# Altium PCB Mainboard1.PcbDoc
Units mil, origin at the board's own origin, x right, y up, seen from the top; angles counter-clockwise.
Board outline 3845 x 2650 mil, 2 copper layers (Top Layer, Bottom Layer); 70 components, 36 nets, 193 pads, 24 vias.
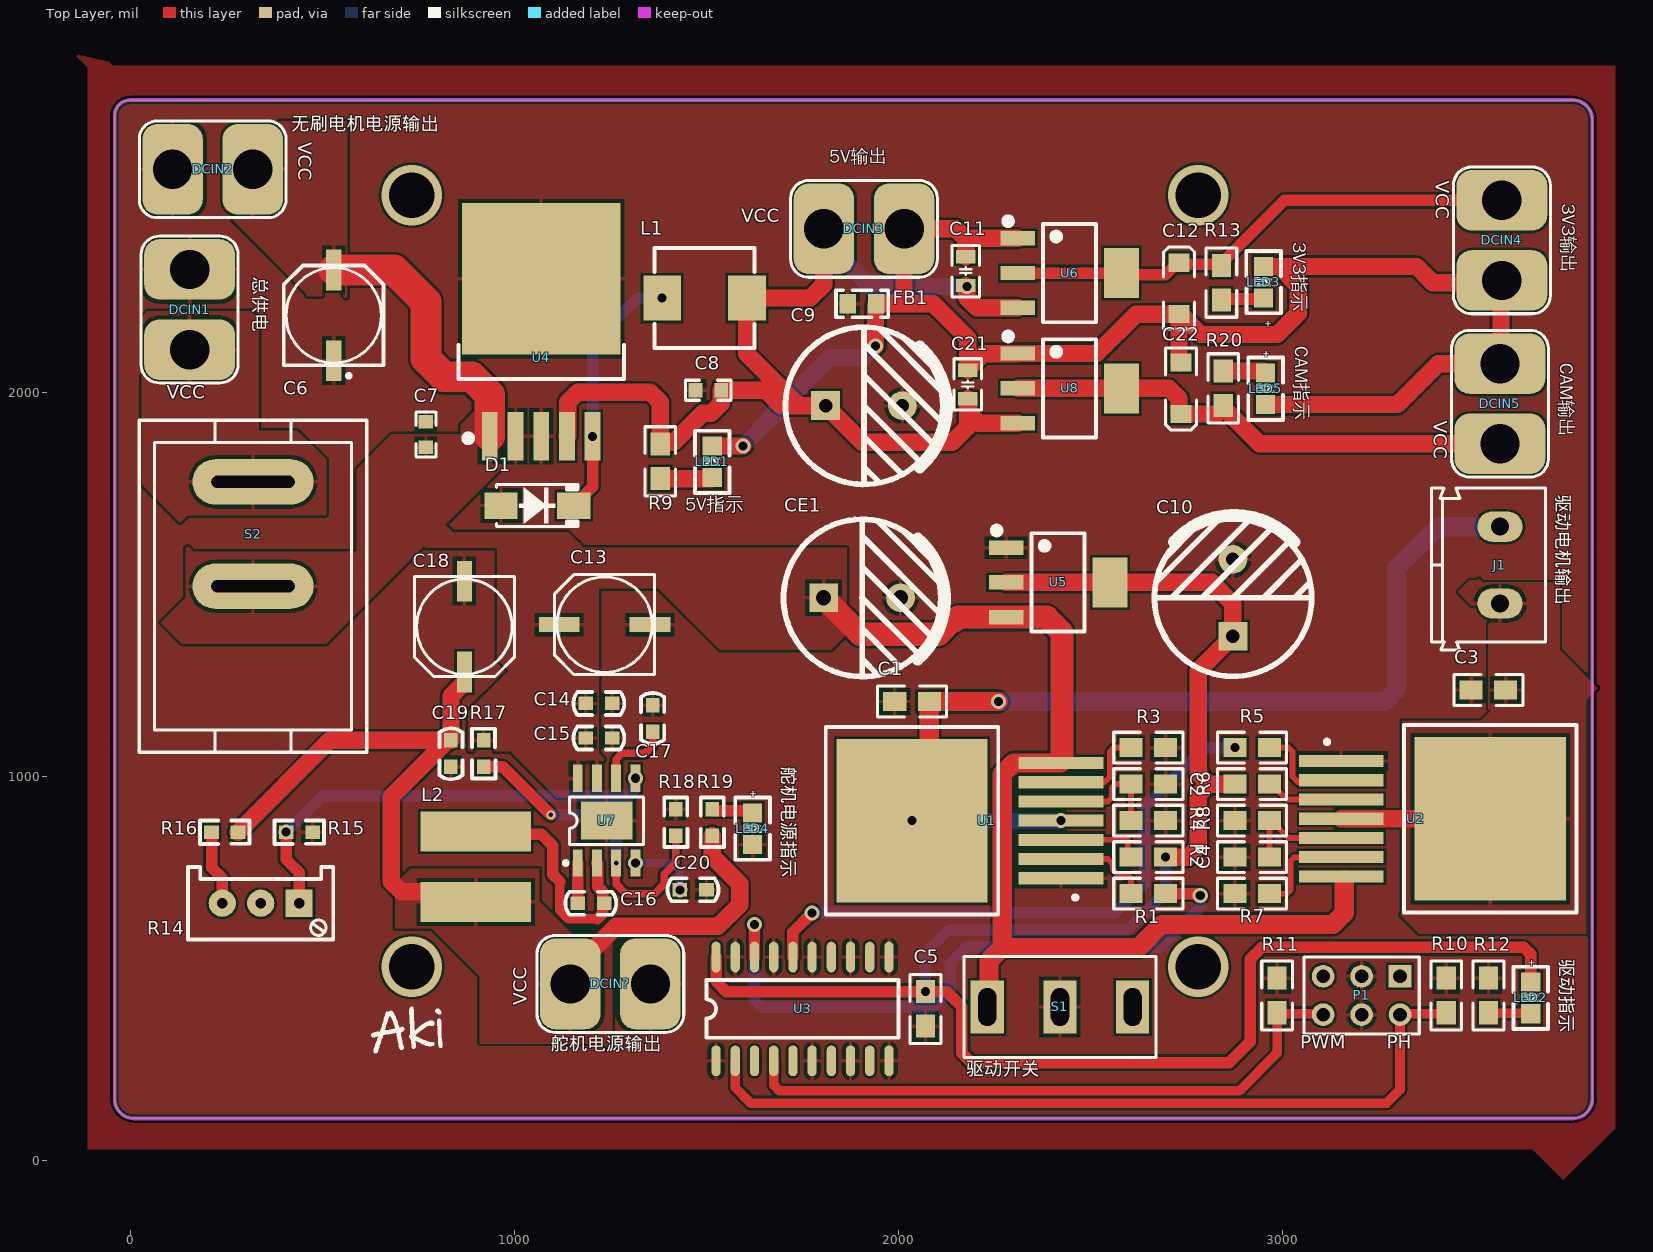
[diagram p0: Top Layer view]
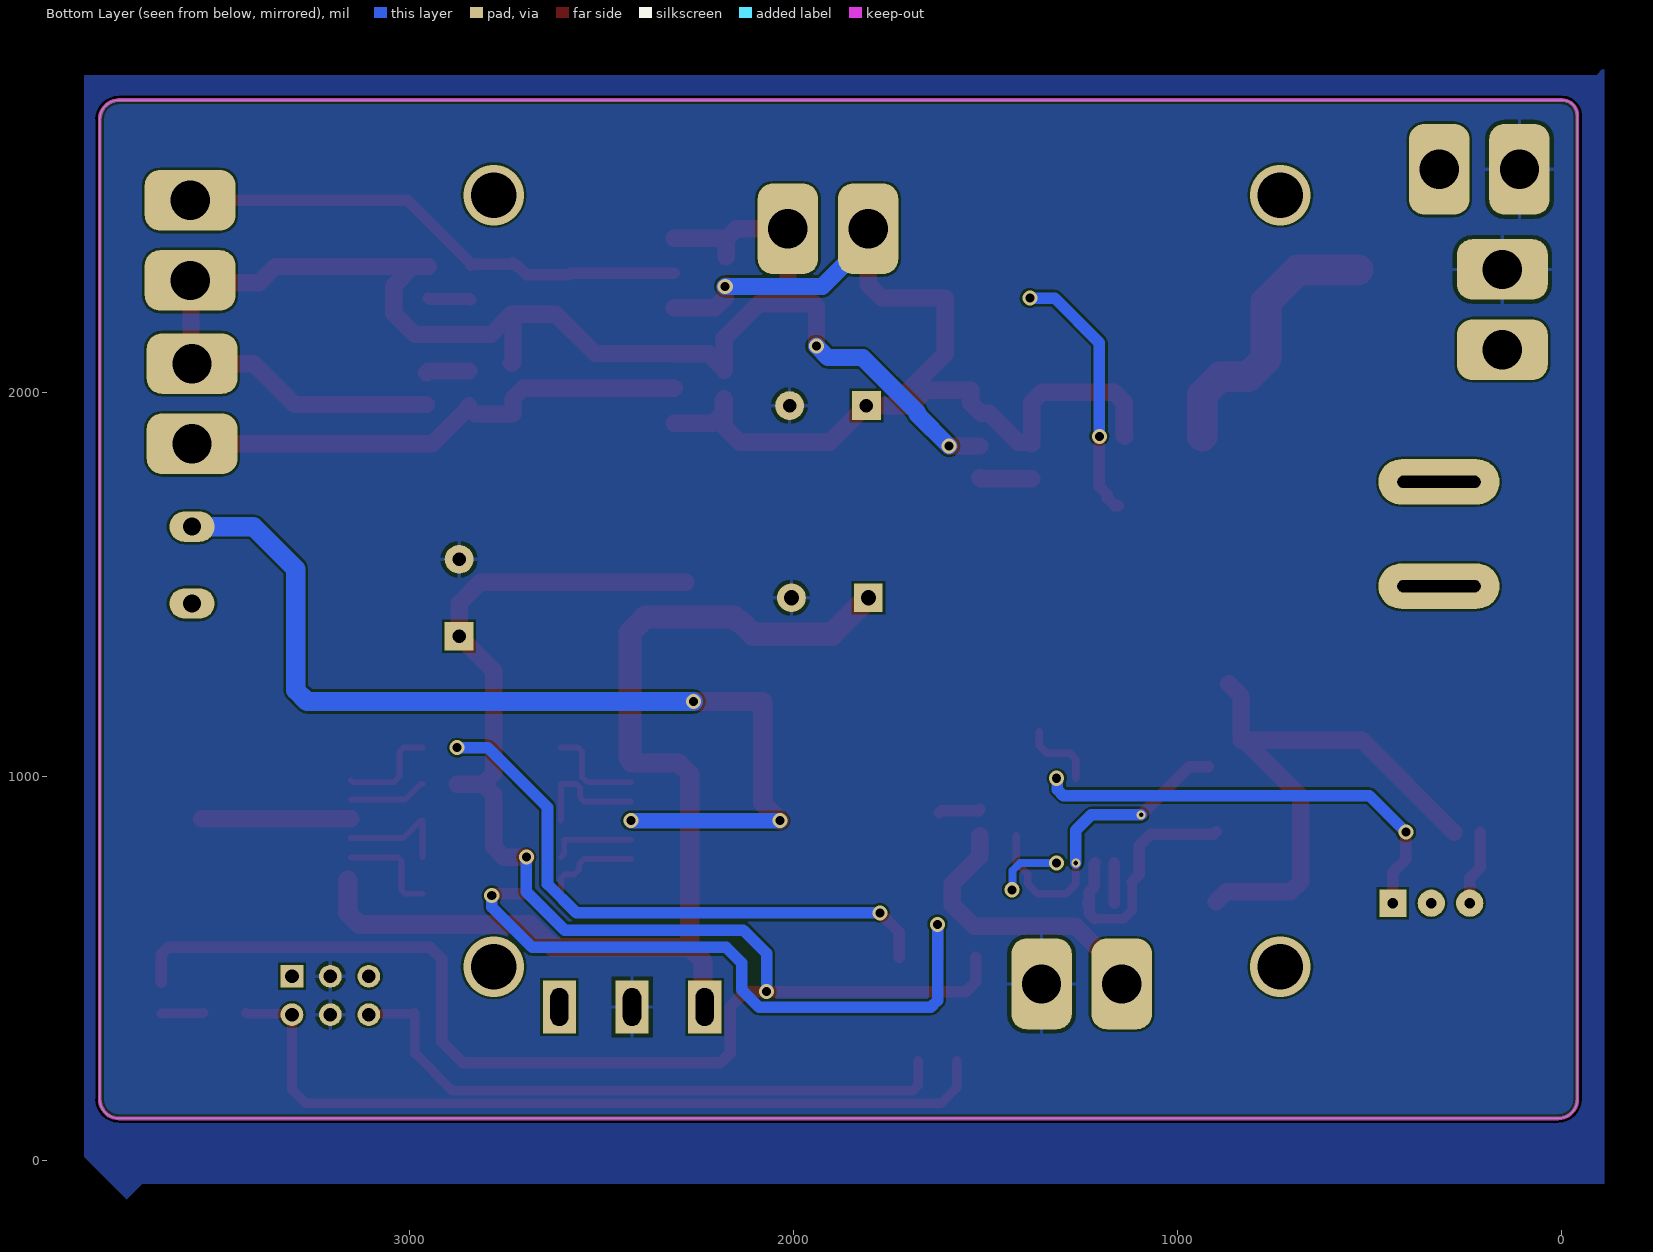
[diagram p1: Bottom Layer view, seen from below]

## Layer stack, top to bottom
Top Solder: solder mask 0.4, Solder Resist, Dk 3.5
Top Layer: signal copper 1.4
Dielectric 1: dielectric 12.6, FR-4, Dk 4.8
Bottom Layer: signal copper 1.4
Bottom Solder: solder mask 0.4, Solder Resist, Dk 3.5

## Board outline
10,110 cw(c10,160) -40,160 -40,2720 cw(c0,2720) 0,2760 3755,2760 cw(c3755,2710) 3805,2710 3805,160 cw(c3755,160) 3755,110

## Design rules (kind name [scope] priority, off if disabled: settings)
Clearance [All] p1: gap=6 ignorepadtopadclearanceinfootprint=FALSE
PolygonConnect [All] p1: connectstyle=Relief reliefconductorwidth=10 reliefentries=4 polygonreliefangle="90 Angle" airgapwidth=10
RoutingVias [All] p1: holewidth=28 width=50 viastyle="Through Hole" minholewidth=28 minwidth=50 maxholewidth=28 maxwidth=50
SolderMaskExpansion [All] p1: expansion=4 istentingtop=FALSE
Width [All] p1: maxlimit=120 minlimit=10 preferedwidth=20
30 further rules are at their usual default settings.

## Components (designator, comment, footprint, x,y, rotation, side; value= is the part's Value field where it differs from the comment)
C1 "Cap" 0805 2080,1195 r180 top value=100nF
C2 "Cap Semi" 0805 2695,980 r180 top value=100nF
C3 "Cap" 0805 3580,1225 r180 top value=100nF
C4 "Cap Semi" 0805 2875,790 r0 top value=100nF
C5 "Cap" 0805 2070,440 r270 top value=100nF
C6 "100uF 25V" CAPS6.3 530,2200 r270 top value=100uF
C7 "100nF ±10% 50V" CAPC1608[0603]S-N 770,1890 r270 top value=100nF
C8 "100nF ±10% 50V" CAPC1608[0603]S-N 1505,2005 r0 top value=100nF
C9 "1000uF（直插）" "CAP 5.0*10*16" 1910,1965 r0 top
C10 "10uF" "CAP 5.0*10*16" 2870,1465 r90 top
C11 "10uF" "C 0805_L" 2175,2315 r90 top
C12 "22uF" "CD A(3216)" 2730,2270 r270 top
C13 "25V 100uF" "电解电容16v 220uf" 1235,1395 r0 top
C14 "100nF" C0603 1255,1190 r180 top
C15 "10uF" C0603 1255,1100 r180 top
C16 "100nF" C0603 1234,670 r180 top
C17 "1uF" C0603 1360,1116 r90 top
C18 "16V 220uF" "电解电容16v 220uf" 870,1390 r90 top
C19 "100nF" C0603 835,1094 r270 top
C20 "100nF" C0603 1500,705 r180 top
C21 "10uF" "C 0805_L" 2180,2020 r90 top
C22 "22uF" "CD A(3216)" 2735,2010 r90 top
CE1 "100uF" "CAP 5.0*10*20" 1905,1465 r0 top
D1 "SS34" SMA[DO-214AC] 1060,1705 r0 top
DCIN1 "T型插头" "Wired T-Header ThroughHole" 155,2215 r180 top
DCIN2 "T型插头" "Wired T-Header ThroughHole" 215,2580 r270 top
DCIN3 "T型插头" "Wired T-Header ThroughHole" 1910,2425 r90 top
DCIN4 "T型插头" "Wired T-Header ThroughHole" 3570,2395 r0 top
DCIN5 "T型插头" "Wired T-Header ThroughHole" 3565,1970 r180 top
DCIN? "T型插头" "Wired T-Header ThroughHole" 1250,460 r90 top
FB1 "0R" INDC2012[0805]S 1905,2230 r180 top
J1 "Header 2" "KF/WJ/DG 301-2p-5.0mm" 3565,1550 r90 top
L1 "47uH" "0630 TPC 7*7*3" 1495,2245 r0 top
L2 "3.3uH" 贴片电感7*7 900,765 r270 top
LED1 "蓝色" LED0805 1515.2,1777.7 r90 top
LED2 "红色" LED0805 3645,465 r270 top
LED3 "红色" LED0805 2950,2245 r90 top
LED4 "绿色" LED0805 1620,905 r270 top
LED5 "红色" LED0805 2955,2050 r270 top
P1 "Header 3X2" HDR2X3 3305,480 r180 top
R1 "Res2" 0805 2695,695 r180 top value=3.3K
R2 "Res2" 0805 2605,790 r0 top value=3.3K
R3 "Res2" 0805 2605,1075 r0 top value=3.3K
R4 "Res2" 0805 2605,885 r0 top value=3.3K
R5 "Res2" 0805 2875,1075 r0 top value=3.3K
R6 "Res2" 0805 2965,980 r180 top value=3.3K
R7 "Res2" 0805 2965,695 r180 top value=3.3K
R8 "" 0805 2965,885 r180 top value=3.3K
R9 "4.7K" 0805 1380,1775 r90 top
R10 "Res2" 0805 3425,385 r90 top value=3.3K
R11 "Res2" 0805 2985,385 r90 top value=3.3K
R12 "Res2" 0805 3535,385 r90 top value=4.7K
R13 "2.7K" 0805 2840,2240 r90 top
R14 "100K" 电位器 340,670 r180 top
R15 "15K" R0603 406,855 r0 top
R16 "100K" R0603 212,855 r0 top
R17 "10K" R0603 920,1025 r90 top
R18 "10K" R0603 1420,846 r90 top
R19 "10K" R0603 1515,846 r90 top
R20 "2.7K" 0805 2845,2055 r270 top
S1 "SW-SPDT" SS12D10 2420,400 r180 top
S2 "KCD1-101" KCD1-101 320,1495 r90 top
U1 "BTS 7971B" bts7960 2035,885 r90 top
U2 "BTS 7971B" bts7960 3540,890 r270 top
U3 "74HC244" SOJ-20 1525,260 r90 top
U4 "LM2596-5" TO263-5A 1070,1885 r0 top
U5 "ASM1117" SOT223_M 2415,1505 r270 top
U6 "AMS1117-3V3" SOT223_M 2445,2310 r270 top
U7 "SY8205FCC" SOP-8E 1240,885 r90 top
U8 "AMS1117-3V3" SOT223_M 2445,2010 r270 top

## Footprints (in the part's own frame and the unit in brackets; to place one, negate y for a bottom-side part, rotate by r counter-clockwise, add the part's x,y. Pads: shape width x height; smd on the part's side, far side on the other; paste and mask are expansions set on the pad)
"0630 TPC 7*7*3" [mm]
  rect 2.5x3 smd: 1(-2.8,0) 2(2.8,0)
  silkscreen extent -3.3,-3.3 3.3,3.3, body extent -3.3,-3.3 3.3,3.3, height 3
0805 [mil]
  rect 60x50 smd: 1(0,0) 2(90,0)
  silkscreen extent -45,-40 135,40
bts7960 [mm]
  rect 0.8x5.6 smd: 1(-3.81,-9.85) 2(-2.54,-9.85) 3(-1.27,-9.85) 4(0,-9.85) 5(1.27,-9.85) 6(2.54,-9.85) 7(3.81,-9.85)
  rect 10.8x10 smd: 8(0,0)
  silkscreen extent -6.2,-10.92 6.2,5.7
C0603 [mil]
  rect 38x35 smd: 1(0,0) 2(69,0)
  silkscreen extent -31,-30 101,30, body extent 4,-16 67,16, height 12
"C 0805_L" [mil] "无极性贴片电容"
  rect 35x50 smd: 1(-37.4,0) 2(37.4,0)
  silkscreen extent -67,-36 67,36, body extent -39,-24 39,24, height 20
"CAP 5.0*10*16" [mm] "脚距5mm直径10mm高度16mm"
  rect 1.9x1.9 hole 0.9: 1(-2.54,0)
  round 1.9 hole 0.9: 2(2.54,0)
  silkscreen extent -5.19,-5.21 5.5,5.19, body extent -5,-5 5.01,5, height 16.04
"CAP 5.0*10*20" [mm] "脚距5mm直径10mm高度20mm"
  rect 1.9x1.9 hole 1: 1(-2.54,0)
  round 1.9 hole 1: 2(2.54,0)
  silkscreen extent -5.19,-5.21 5.5,5.19, body extent -5,-5 5.01,5, height 20.03
CAPC1608[0603]S-N [mm]
  rect 0.9x0.95 smd: 1(-0.85,0) 2(0.85,0)
  silkscreen extent -1.5,-0.66 1.5,0.66, body extent -0.8,-0.41 0.8,0.41, height 0.79
CAPS6.3 [mm]
  rect 2.7x1 smd: 1(-3,0) 2(3,0)
  silkscreen extent -3.3,-3.3 4.12,3.3, body extent -3.5,-3.3 3.5,3.3, height 5.2
"CD A(3216)" [mm] "长3.2mm，宽1.6mm，厚1.6mm"
  rect 1.2x1.4 smd: 1(-1.7,0) 2(1.7,0)
  silkscreen extent -2.74,-1.02 2.67,1.02, body extent -1.6,-0.8 1.6,0.8, height 1.6
HDR2X3 [mm] "Connector; Header; 3x2 Position"
  rect 1.5x1.5 hole 0.9: 1(0,0)
  round 1.5 hole 0.9: 2(0,2.54) 3(2.54,0) 4(2.54,2.54) 5(5.08,0) 6(5.08,2.54)
  silkscreen extent -1.27,-1.27 6.35,3.81
INDC2012[0805]S [mm]
  rect 1.1x1.3 smd: 1(-0.948,0) 2(0.948,0)
  silkscreen extent -1.73,-0.89 1.73,0.89, body extent -1.02,-0.63 1.02,0.64, height 0.8
KCD1-101 [mm] "船型开关立式"
  oval 3x8 hole 0.8 slot 5.5 at 90 deg: 1(0,0) 2(6.9,0)
  silkscreen extent -10.97,-7.52 10.97,7.52, body extent -10.95,-7.5 10.95,7.5, height 20.3
"KF/WJ/DG 301-2p-5.0mm" [mm]
  oval 2x3 hole 1.2: 1(2.54,0) 2(-2.54,0)
  silkscreen extent -5.6,-3 5.08,4.52, body extent -5.6,-3 5,4.6, height 10
LED0805 [mil] "1/8W"
  rect 50x50 smd: 1(0,0) 2(82.3,0.2)
  silkscreen extent -40,-45 122,45, body extent 2,-25 80,25, height 20
R0603 [mil] "1/10W"
  rect 38x35 smd: 1(0,0) 2(69,0)
  silkscreen extent -30,-31 99,30, body extent 4,-16 66,16, height 18
SMA[DO-214AC] [mm]
  rect 2.2x1.75 smd: A(-2.4,0) K(2.4,0)
  silkscreen extent -2.7,-1.4 2.7,1.4, body extent -2.9,-1.46 2.91,1.46, height 2.3
SOJ-20 [mil]
  oval 80x24 smd: 1(0,0) 2(0,-50) 3(0,-100) 4(0,-150) 5(0,-200) 6(0,-250) 7(0,-300) 8(0,-350) 9(0,-400) 10(0,-450) 11(270,-450) 12(270,-400) 13(270,-350) 14(270,-300) 15(270,-250) 16(270,-200) 17(270,-150) 18(270,-100) 19(270,-50) 20(270,0)
  silkscreen extent 60,-475 210,25
SOP-8E [mm]
  rect 2.5x3.4 smd: 0(0,0)
  rect 1.8x0.65 smd: 1(-2.8,1.905) 2(-2.8,0.635) 3(-2.8,-0.635) 4(-2.8,-1.905) 5(2.8,-1.905) 6(2.8,-0.635) 7(2.8,0.635) 8(2.8,1.905)
  silkscreen extent -2.92,-2.45 1.58,2.82, body extent -3.11,-2.45 3.11,2.45, height 1.75
SOT223_M [mm] "6.4x7x1.6mm(长宽高)"
  rect 0.95x2.3 smd: 1(-2.3,-3.429) 2(0,-3.429) 3(2.3,-3.429)
  rect 3.3x2.3 smd: 2(0,3.429)
  silkscreen extent -3.63,-4.26 3.25,1.75, body extent -3.25,-3.51 3.25,3.51, height 1.65
SS12D10 [mm]
  rect 2.2x3.5 hole 1.2 slot 2.5 at 90 deg mask+0.07: 1(-4.8,0) 2(0,0) 3(4.8,0)
  silkscreen extent -6.35,-3.35 6.35,3.35, body extent -6.4,-3.3 6.35,3.8, height 12.5
TO263-5A [mm] "263，5脚晶体管"
  rect 1.05x3.2 smd: 1(-3.4,0) 2(-1.7,0) 3(0,0) 4(1.7,0) 5(3.4,0)
  rect 10.45x10 smd: 3(0,10.414)
  silkscreen extent -5.46,-0.33 5.46,6.04, body extent -5,-0.01 5,13.32, height 4.5
"Wired T-Header ThroughHole" [mm]
  rrect50% 6x4 hole 2.6: 1(0,2.65) 2(0,-2.65)
  silkscreen extent -3.2,-4.85 3.2,4.85
电位器 [mm] "Precise Multi-Winding Adjustable Resistor"
  rect 1.8x1.8 hole 0.7: 1(-2.54,0)
  round 1.8 hole 0.7: 2(0,0) 3(2.54,0)
  silkscreen extent -4.8,-2.4 4.8,2.4, body extent -4.75,-2.4 4.75,2.4, height 11.52
"电解电容16v 220uf" [mm] "直径6.3mm（蒜米工坊）"
  rect 2.7x1 smd: 1(-3,0) 2(3,0)
  silkscreen extent -3.3,-3.3 3.3,3.3, body extent -3.5,-3.3 3.5,3.3, height 5.2
贴片电感7*7 [mm] "POWER INDUCTOR 5uH"
  rect 2.65x7.3 smd: 1(-2.325,0) 2(2.325,0)
  body extent -3.36,-3.33 3.34,3.37, height 2.9

## Part data
C1 C3 C5: "Capacitor", LatestRevisionDate=17-Jul-2002, LatestRevisionNote="Re-released for DXP Platform.", PackageReference=RAD-0.3, Published=8-Jun-2000, Publisher="Altium Limited"
C2 C4: "Capacitor (Semiconductor SIM Model)", LatestRevisionDate=17-Jul-2002, LatestRevisionNote="Re-released for DXP Platform.", PackageReference=C1206, Published=8-Jun-2000, Publisher="Altium Limited"
C6: library part Cap-Solid, "Polarized Capacitor (Radial)", Voltage=25V, Price(RMB)=0.000, Published=8-Jun-2000, Publisher="Altium Limited", Revision="July-2002: Re-released for DXP Platform."
C7 C8: library part Cap-Chip, "贴片电容", Tolerance=±10%, Voltage=50V, Price(RMB)=0.000, Published=8-Jun-2000, Publisher="Altium Limited", Revision="July-2002: Re-released for DXP Platform."
C9: library part C-CAP, "直插电解电容", BOM名称=直插电解电容, 学习资源=www.ooocke.com, 版权归属=源创客
C10 CE1: library part CAP1
C11 C21: library part C-CM, "贴片电解电容", BOM名称=贴片电解电容, 学习资源=www.ooocke.com, 版权归属=源创客
C12 C22: library part C-CD, "贴片钽电容", BOM名称=贴片钽电容, 学习资源=www.ooocke.com, 版权归属=源创客
C13 C18: library part ECAP
C14 C15 C17 C19 C20: library part 普通电容, "Capacitor"
C16: library part C_0603
D1: library part 1N5819, "肖特基二极管", BOM名称=肖特基二极管, 学习资源=www.ooocke.com, 属性=40V/2A, 版权归属=源创客
DCIN1 DCIN2 DCIN3 DCIN4 DCIN5 DCIN?: library part T_Header
FB1: library part Ind-Chip, "Chip Inductor, Ferrite-Core, Silkscreen Border", DCR=.1m, Imax=50mA, Price(RMB)=0.000, Published=8-Jun-2000, Publisher="Altium Limited", Revision="July-2002: Re-released for DXP Platform."
J1: "Header, 2-Pin", LatestRevisionDate=17-Jul-2002, LatestRevisionNote="Re-released for DXP Platform.", Publisher="Altium Limited"
L1: library part "Ind Power", "Power Inductor, Ferrite-Core", DCR=.5m, Imax=50mA, Price(RMB)=0.000, Published=8-Jun-2000, Publisher="Altium Limited", Revision="July-2002: Re-released for DXP Platform."
L2: library part L1
LED1 LED2 LED3 LED5: library part LED-SMD, "贴片LED", BOM名称=贴片LED
  LED1 LED3 LED5: 学习资源=https://lmdzstyle.taobao.com/, 版权归属=黎明电子style
  LED2: 学习资源=www.ooocke.com, 版权归属=源创客
LED4: library part LED-3MM, "插件LED", BOM名称=插件LED, 学习资源=www.ooocke.com, 版权归属=源创客
P1: "Header, 3-Pin, Dual row", LatestRevisionDate=17-Jul-2002, LatestRevisionNote="Re-released for DXP Platform.", Publisher="Altium Limited"
R1 R2 R3 R4 R5 R6 R7 R10 R11 R12: "Resistor", LatestRevisionDate=17-Jul-2002, LatestRevisionNote="Re-released for DXP Platform.", PackageReference=AXIAL-0.4, Published=8-Jun-2000, Publisher="Altium Limited"
  R4: PackageDescription="Axial Device, Thru-Hole; 2 Leads; 0.4 in Pin Spacing"
R8: library part Res2, "Resistor", LatestRevisionDate=17-Jul-2002, LatestRevisionNote="Re-released for DXP Platform.", PackageDescription="Axial Device, Thru-Hole; 2 Leads; 0.4 in Pin Spacing", PackageReference=AXIAL-0.4, Published=8-Jun-2000, Publisher="Altium Limited"
R9 R13 R20: library part R, "贴片电阻", BOM名称=贴片电阻, 学习资源=https://lmdzstyle.taobao.com/, 版权归属=黎明电子style
R14: library part RESVR, "Potentiometer"
R15 R16 R17 R18 R19: library part R_0603
S1: "单刀双掷开关 3脚船型、钮子、拨动开关 SPDT Subminiature Toggle Switch", Price(RMB)=0.000, Published=24-Mar-1999, Publisher="Altium Limited"
S2: "1路单刀船型开关", BOM名称=1路单刀船型开关, 学习资源=www.ooocke.com, 版权归属=源创客
U1 U2: library part "BTS 7960B"
U3: library part 7
U6 U8: library part AMS1117, "三端稳压芯片", BOM名称=稳压芯片, 学习资源=www.ooocke.com, 版权归属=源创客

## Via types
v1: diameter 39.37, hole 23.62, Top Layer to Bottom Layer, 18 vias
v2: diameter 157.48, hole 118.11, Top Layer to Bottom Layer, 4 vias
v3: diameter 23.62, hole 11.81, Top Layer to Bottom Layer, 2 vias

## Nets (pads, with @x,y where several pads share a name; then routed paths per layer and width w, separated by ;. In a path a pad name is that pad's centre, name@x,y a point inside that pad or via, vN(x,y) a via of type N, cw(c..) or ccw(c..) an arc to the next point about the centre after c; other vN are vias at no path point)
FB: R14.1 R15.1 U7.5 | length 1182.4
  Top Layer w30: v1(406,855) 406,784 440,750 R14.1
  Bottom Layer w30: v1(406,855) 501,950 1297.43,950 1313.21,965.78 1313.21,993.44 v1(1315,995.24)
GND5V: C11.2 C12.2 C21.2 C22.2 DCIN3.2 DCIN4.2 DCIN5.2 FB1.1 LED1.2 LED3.2 LED5.2 U6.1 U8.1 | length 4309.8
  Top Layer w45: LED1.2 v1(1595,1860) ; v1(1940,2120) 1940,2225 1945,2230 1987.97,2230 ; C11.2 2175,2398.64 2173.09,2400.55 ; C21.2 C21.2@2180,2059.9 ; U6.1 2173.09,2400.55 ; C22.2 2731.12,2076.93 2730,2078.05 C12.2 ; LED3.2 2990,2327.3 ; LED5.2 3297.7,1967.7 3404.33,2074.33 DCIN5.2 3567.5,2076.83 DCIN4.2@3567.5,2288.17 ; DCIN4.2 DCIN4.2@3567.5,2288.17 ; 1987.97,2230 2090,2230 2180,2140 C21.2@2180,2059.9 ; 1987.97,2230 2014.33,2256.36 DCIN3.2 2148.64,2425 2173.09,2400.55 ; C21.2@2180,2059.9 2220.1,2100 2309.45,2100 U8.1 2515.55,2100.55 2618.07,2203.07 C12.2 ; C12.2 2733.94,2203.07 2787.01,2150 2985,2150 3040,2205 3040,2277.3 2990,2327.3 ; 2990,2327.3 3347.7,2327.3 3390,2285 3564.33,2285 DCIN4.2@3567.5,2288.17
  Bottom Layer w45: v1(1595,1860) 1677.9,1942.9 1677.9,1948.01 1819.89,2090 1910,2090 v1(1940,2120)
GNDBAT: C1.2 C2.1 C3.2 C4.1 C5.2 C6.2 C7.1 C8.1 C9.2 C10.2 C13.2 C14.1 C15.1 C17.2 C18.2 C19.2 C20.1 CE1.2 D1.A DCIN1.2 DCIN2.2 DCIN?.2 FB1.2 LED4.2 P1.3 P1.4 R3.2 R4.2 R7.2 R8.2 R10.2 R11.2 R12.2 R15.2 R18.2 S1.2 U1.1 U2.1 U3.1 U3.6 U3.8 U3.10 U3.11 U3.13 U3.15 U3.17 U3.19 U4.2 U4.3 U5.1 U7.0
NetC2_2: C2.2 R4.1 U1.5 | length 310.5
  Top Layer w15: U1.5 2545,935 2555,945 2555,970 2565,980 C2.2 R4.1
NetC4_2: C4.2 R8.1 U2.5 | length 300.8
  Top Layer w15: C4.2 R8.1 2970,885 3015,840 U2.5
NetC16_1: C16.1 L2.1 U7.2 | length 658.3
  Top Layer w25: 1118.65,726.35 1118.65,651.35 1140,630 1216.43,630
  Top Layer w30: L2.1 906.54,850 1070,850 1100,820 1100,745 1118.65,726.35 ; U7.2 1217.2,772.56 1217.2,712.8 1230,700 1230,672.5 C16.1@1232.5,670 ; 1216.43,630 1230,643.57 1230,667.5 C16.1@1232.5,670 ; C16.1 C16.1@1232.5,670
NetC16_2: C16.2 U7.1 | length 104.8
  Top Layer w30: C16.2 U7.1
NetC17_1: C17.1 U7.6 | length 195.3
  Top Layer w20: U7.6 1265,1045 1280,1060 1340,1060 1360,1080 C17.1
NetC20_2: C20.2 U7.4 | length 173.6
  Bottom Layer w20: v1(1315,774.76) 1410.24,774.76 1430,755 1430,706 v1(1431,705)
NetD1_2: D1.K L1.1 U4.5 | length 678.5
  Top Layer w30: D1.K 1163.35,1705 1182.8,1724.45 1182.8,1733.31 1203.86,1754.37 v1(1203.86,1885)
  Bottom Layer w30: v1(1203.86,1885) 1203.86,2128.86 1320,2245 v1(1384.76,2245)
NetDCIN1_1: DCIN1.1 S2.2 | length 95.2
  Top Layer w80: DCIN1.1@150,2105.67 DCIN1.1 ; S2.2@231.89,1766.65 S2.2
NetLED1_1: LED1.1 R9.1 | length 136.3
  Top Layer w45: R9.1 1512.5,1775 LED1.1
NetLED2_2: LED2.2 R12.1 | length 111.2
  Top Layer w25: R12.1 3536.15,383.85 3644.05,383.85 LED2.2
NetLED3_1: LED3.1 R13.1 | length 112.1
  Top Layer w30: R13.1 2842.5,2242.5 2947.5,2242.5 LED3.1
NetLED4_1: LED4.1 R19.2 | length 110
  Top Layer w30: R19.2 1515,913.5 1517.5,911 1614,911 LED4.1
NetLED5_1: LED5.1 R20.1 | length 112.1
  Top Layer w45: R20.1 2950,2055 LED5.1
NetR1_2: R1.2 U1.2 | length 251.7
  Top Layer w15: U1.2 2545,785 2557.5,772.5 2557.5,757.5 2570,745 2595,745 2605,735 R1.2
NetR2_1: R2.1 U1.3 | length 222.1
  Top Layer w15: U1.3 2596.21,835 2596.21,798.79 R2.1
NetR3_1: R3.1 U1.6 | length 258.3
  Top Layer w15: U1.6 2536.21,985 2550,998.79 2550,1065 2560,1075 R3.1
NetR5_2: R5.2 U2.2 | length 264.6
  Top Layer w15: R5.2 3015,1075 3019.99,1070.01 3025,1065 3025,1000 3040,985 3147.2,985 U2.2
NetR6_1: R6.1 U2.3 | length 203.8
  Top Layer w15: R6.1 2970,980 3010,940 U2.3
NetR7_1: R7.1 U2.6 | length 271.2
  Top Layer w15: R7.1 3011.21,695 3020,703.79 3020,780 3028.79,788.79 3150.99,788.79 U2.6
NetR14_3: R14.3 R16.1 | length 196.6
  Top Layer w30: R16.1 212,763 240,735 R14.3
NetR17_1: R17.1 R18.1 U7.3 | length 837.5
  Top Layer w20: v3(1265,774.76) 1265,720 1290,695 1365,695 1390,720 1390,745 1420,775 R18.1
  Top Layer w30: R17.1 970,1025 v3(1095,900)
  Bottom Layer w30: v3(1095,900) 1225,900 1265,860 v3(1265,774.76)
OUT1: C1.1 J1.1 U1.4 U1.8 | length 2574.8
  Top Layer w50: v1(2035,885) 2080,930 C1.1 v1(2260,1195)
  Bottom Layer w40: v1(2035,885) v1(2422.8,885)
  Bottom Layer w50: v1(2260,1195) 3265.71,1195 3295,1224.29 3295,1540 3405,1650 J1.1
OUT2: C3.1 J1.2 U2.4 U2.8 | length 387.8
  Top Layer w45: U2.4 U2.8
PH: R1.1 U3.18 | length 1721.4
  Top Layer w30: U3.18 v1(1625,615) ; R1.1 2777.46,695 2782.46,690 v1(2785,690)
  Bottom Layer w30: v1(1625,615) 1625,416.89 1642.57,399.31 2089.31,399.31 2135,445 2135,515 2175,555 2680,555 2785,660 v1(2785,690)
PH_IN: P1.2 R10.1 U3.2 | length 2148.1
  Top Layer w25: U3.2 1575,190 1615,150 3270,150 3305,185 P1.2 3307.5,382.5 3422.5,382.5 R10.1
PWM: R5.1 U3.16 | length 1531
  Top Layer w30: U3.16 1725,595 v1(1775,645)
  Bottom Layer w30: v1(1775,645) 2565,645 2640,720 2640,920 2795,1075 v1(2875,1075)
PWM_IN: P1.6 R11.1 U3.4 | length 1647
  Top Layer w25: U3.4 1675.5,259.5 1675.5,196.5 1690.14,181.86 2886.86,181.86 2985,280 R11.1 2987.5,382.5 3102.5,382.5 P1.6
VCC3V3: C12.1 DCIN4.1 R13.2 U6.2 | length 1351.2
  Top Layer w30: U6.2@2310,2310 2580,2310 2585,2305 2694.13,2305 2717.44,2328.31 2721.38,2328.31 C12.1 2733.46,2333.46 2836.54,2333.46 R13.2 2840,2335 3004.33,2499.33 DCIN4.1
VCC5V: C8.2 C9.1 C11.1 C21.1 DCIN3.1 L1.2 R9.2 U4.4 U6.3 U8.3 | length 2982.5
  Top Layer w45: U4.4 1138.76,1886.83 1138.76,1973.64 1165.12,2000 1353.64,2000 1380,1973.64 R9.2@1380,1867.5 ; R9.2 R9.2@1380,1867.5 ; DCIN3.1 1805,2424.33 1805,2280 1770,2245 L1.2 1605.24,2099.76 1740,1965 ; C11.1 v1(2177.5,2275.1) 2177.5,2245.81 2203.86,2219.45 U6.3 ; U8.3 2208.86,1919.45 2182.5,1945.81 2182.5,1980.1 C21.1 2180,1910 2140,1870 1905,1870 C9.1 1740,1965 ; R9.2@1380,1867.5 1382.5,1870 1415,1870 1490,1945 1512.1,1945 1538.46,1971.36 C8.2 1654.23,2005 1694.23,1965 1740,1965
  Bottom Layer w45: DCIN3.1 1805.67,2394.44 1925.01,2275.1 v1(2177.5,2275.1)
VCCBAT: C6.1 C7.2 C13.1 C14.2 C15.2 CE1.1 DCIN2.1 R17.2 S1.3 S2.1 U1.7 U2.7 U4.1 U5.3 U7.7 U7.8 | length 3562.8
  Top Layer w50: S1.3 2235,403.98 2235,520 2270,555 ; U1.7 2299.29,1035 2270,1005.71 2270,555 ; U2.7@3160,730.75 3160,644.29 3130.71,615 2685,615 2625,555 2270,555
  Top Layer w60: CE1.1 1900,1370 2105,1370 2140,1405 2145,1405 2154.45,1414.45 U5.3 2385.55,1414.45 2425,1375 U1.7@2425,1049.25
  Top Layer w80: S2.1@315,1500 S2.1 ; C6.1 686.89,2318.11 770,2235 770,2086.86 816.86,2040 889.28,2040 936.14,1993.14 U4.1
VCCCAM: C22.1 DCIN5.1 R20.2 U8.2 | length 1333
  Top Layer w45: U8.2@2310,2010 2703.58,2010 2729.94,1983.64 2729.94,1944.19 2731.06,1943.07 C22.1 R20.2@2828.07,1943.07 ; R20.2 2845,1960 2939.33,1865.67 DCIN5.1
VCCMOTOR: C5.1 C10.1 LED2.1 R2.2 R6.2 U3.20 U5.2 | length 5022.5
  Top Layer w30: U3.20 1525,466.52 1551.52,440 v1(2070,440) 2125,440 2139.99,425.01 2164.99,400.01 2164.99,280.01 2190,255 2860,255 2915,310 2915,525 2945,555 3627.43,555 3645,537.43 LED2.1
  Top Layer w45: U5.2@2280,1505 2550,1505 2815,1505 2870,1450 C10.1 2780,1275 2780,1007.57 2807.57,980 ; v1(2695,790) 2753.64,790 2780,816.36 2780,952.43 2807.57,980 ; R6.2 2807.57,980
  Bottom Layer w30: v1(2070,440) 2070,540 2130,600 2595,600 2695,700 v1(2695,790)
VCCSteer: C18.1 C19.1 DCIN?.1 L2.2 R16.2 R19.1 | length 2237.5
  Top Layer w45: R16.2 520,1094 C19.1@827.19,1094 ; C18.1@867.19,1241.24 835,1209.05 C19.1 C19.1@827.19,1094 ; L2.2 873.46,700 706.36,700 680,726.36 680,946.81 C19.1@827.19,1094 ; DCIN?.1 1145.67,490.75 1264.92,610 1530,610 1586.36,666.36 1586.36,720.5 1515,791.86 R19.1
pads on no net: P1.1 P1.5 R14.2 S1.1 U3.3 U3.5 U3.7 U3.9 U3.12 U3.14
copper on no net:
  other v2: 732.76,505 2780,505 732.76,2512.87 2780,2512.87

## Polygon pours and split planes (outlines as drawn)
GNDBAT on Top Layer "GNDBAT_L01_P014" (solid, remove dead copper, pour order 14): -55,2860 -45,2850 3865,2850 3865,85 3730,-50 3650,30 -110,30 -110,2845 -145,2880
VCCSteer on Top Layer "VCCSTEER_L01_P004" (solid, remove dead copper, pour order 4): 730,760 1065,760 1065,675 1155,585 1255,585 1255,310 1240,295 1230,305 910,305 910,480 785,605 690,605 690,720
OUT2 on Top Layer "OUT2_L01_P007" (solid, remove dead copper, pour order 7): 3510,1515 3520,1505 3720,1505 3720,1330 3820,1230 3790,1200 3790,590 3355,590 3305,640 3310,645 3310,1145 3515,1145 3540,1170 3535,1175 3535,1400 3455,1480 3485,1510 3505,1510
VCCBAT on Top Layer "VCCBAT_L01_P006" (solid, remove dead copper, pour order 6): 1140,1635 1180,1595 1865,1595 1865,1380 1870,1375 1825,1330 1535,1330 1375,1490 1170,1490 1170,1560 1140,1590
VCCBAT on Top Layer "VCCBAT_L01_P005" (solid, remove dead copper, pour order 5): 785,1690 840,1635 1140,1635 1220,1555 1220,1060 1240,1040 1240,945 1110,945 995,1060 995,1065 875,1065 880,1070 880,1170 985,1275 955,1305 955,1595 770,1595 730,1635 780,1685 800,1685
VCCBAT on Top Layer "VCCBAT_L01_P002" (solid, remove dead copper, pour order 2): 155,1595 165,1585 590,1585 590,1800 680,1890 860,1890 860,1915 915,1970 970,1970 970,1805 510,1345 135,1345 80,1400 145,1465 145,1600
NetDCIN1_1 on Top Layer "NETDCIN1_1_L01_P001" (solid, remove dead copper, pour order 1): 315,2210 335,2190 335,1900 435,1900 510,1825 510,1680 150,1680 130,1660 30,1760 30,2195 45,2210
VCCBAT on Top Layer "VCCBAT_L01_P000" (solid, remove dead copper, pour order 0): 565,2705 565,2240 555,2250 460,2250 460,2255 235,2480 255,2500 255,2705
GNDBAT on Bottom Layer "GNDBAT_L02_P015" (solid, remove dead copper, pour order 15): -130,2865 -90,2825 3845,2825 3845,10 3735,-100 3695,-60 -110,-60 -110,2905 -140,2935

## Keep-outs
Keep-Out Layer:
  lines w10: -40,160 ccw(c10,160) 10,110 3755,110 ccw(c3755,160) 3805,160 3805,2710 ccw(c3755,2710) 3755,2760 3720,2760 0,2760 ccw(c0,2720) -40,2720 -40,160

## Silkscreen, mask and mechanical layers (free items; w line width, h text height)
Top Overlay:
  drawing of 440 lines, arcs and shapes, not listed
  text "无刷电机电源输出" at 420,2670.55 h60
  text "VCC" at 425.67,2650 h60 r270
  text "5V输出" at 1820,2585.33 h60
  text "VCC" at 3385.67,2550 h60 r270
  text "3V3输出" at 3715.33,2490 h60 r270
  text "VCC" at 1590,2430.67 h60
  text "3V3指示" at 3014.94,2390 h60 r270
  text "总供电" at 310.55,2299.94 h60 r270
  text "CAM指示" at 3019.94,2120 h60 r270
  text "CAM输出" at 3710.33,2075 h60 r270
  text "VCC" at 95,1970.67 h60
  text "VCC" at 3380.67,1925 h60 r270
  text "驱动电机输出" at 3700.55,1735 h60 r270
  text "5V指示" at 1445,1679.94 h60
  text "舵机电源指示" at 1685.55,1025 h60 r270
  text "驱动指示" at 3710.16,525 h60 r270
  text "VCC" at 1044.33,405 h60 r90
  text "PWM" at 3045,280 h60
  text "PH" at 3270,280 h60
  text "舵机电源输出" at 1095,275.55 h60
  text "驱动开关" at 2175,210.16 h60
Top Solder:
  text "17th单车 HEU" at 125,366.05 h60
  text "济海追风六队" at 135,311.55 h60
  text "供电驱动一体板 1.0" at 80.06,251.16 h60

## Text inside footprints (layer, text, board x,y; h text height)
LED1: Top Overlay "+" at 1541.14,1719.77 h30 r90
LED2: Top Overlay "+" at 3632.94,505.07 h30 r270
LED3: Top Overlay "+" at 2975.94,2187.07 h30 r90
LED4: Top Overlay "+" at 1607.94,945.07 h30 r270
LED5: Top Overlay "+" at 2942.94,2090.07 h30 r270